# KiCad board rev6.0_flat_powerstage.kicad_pcb
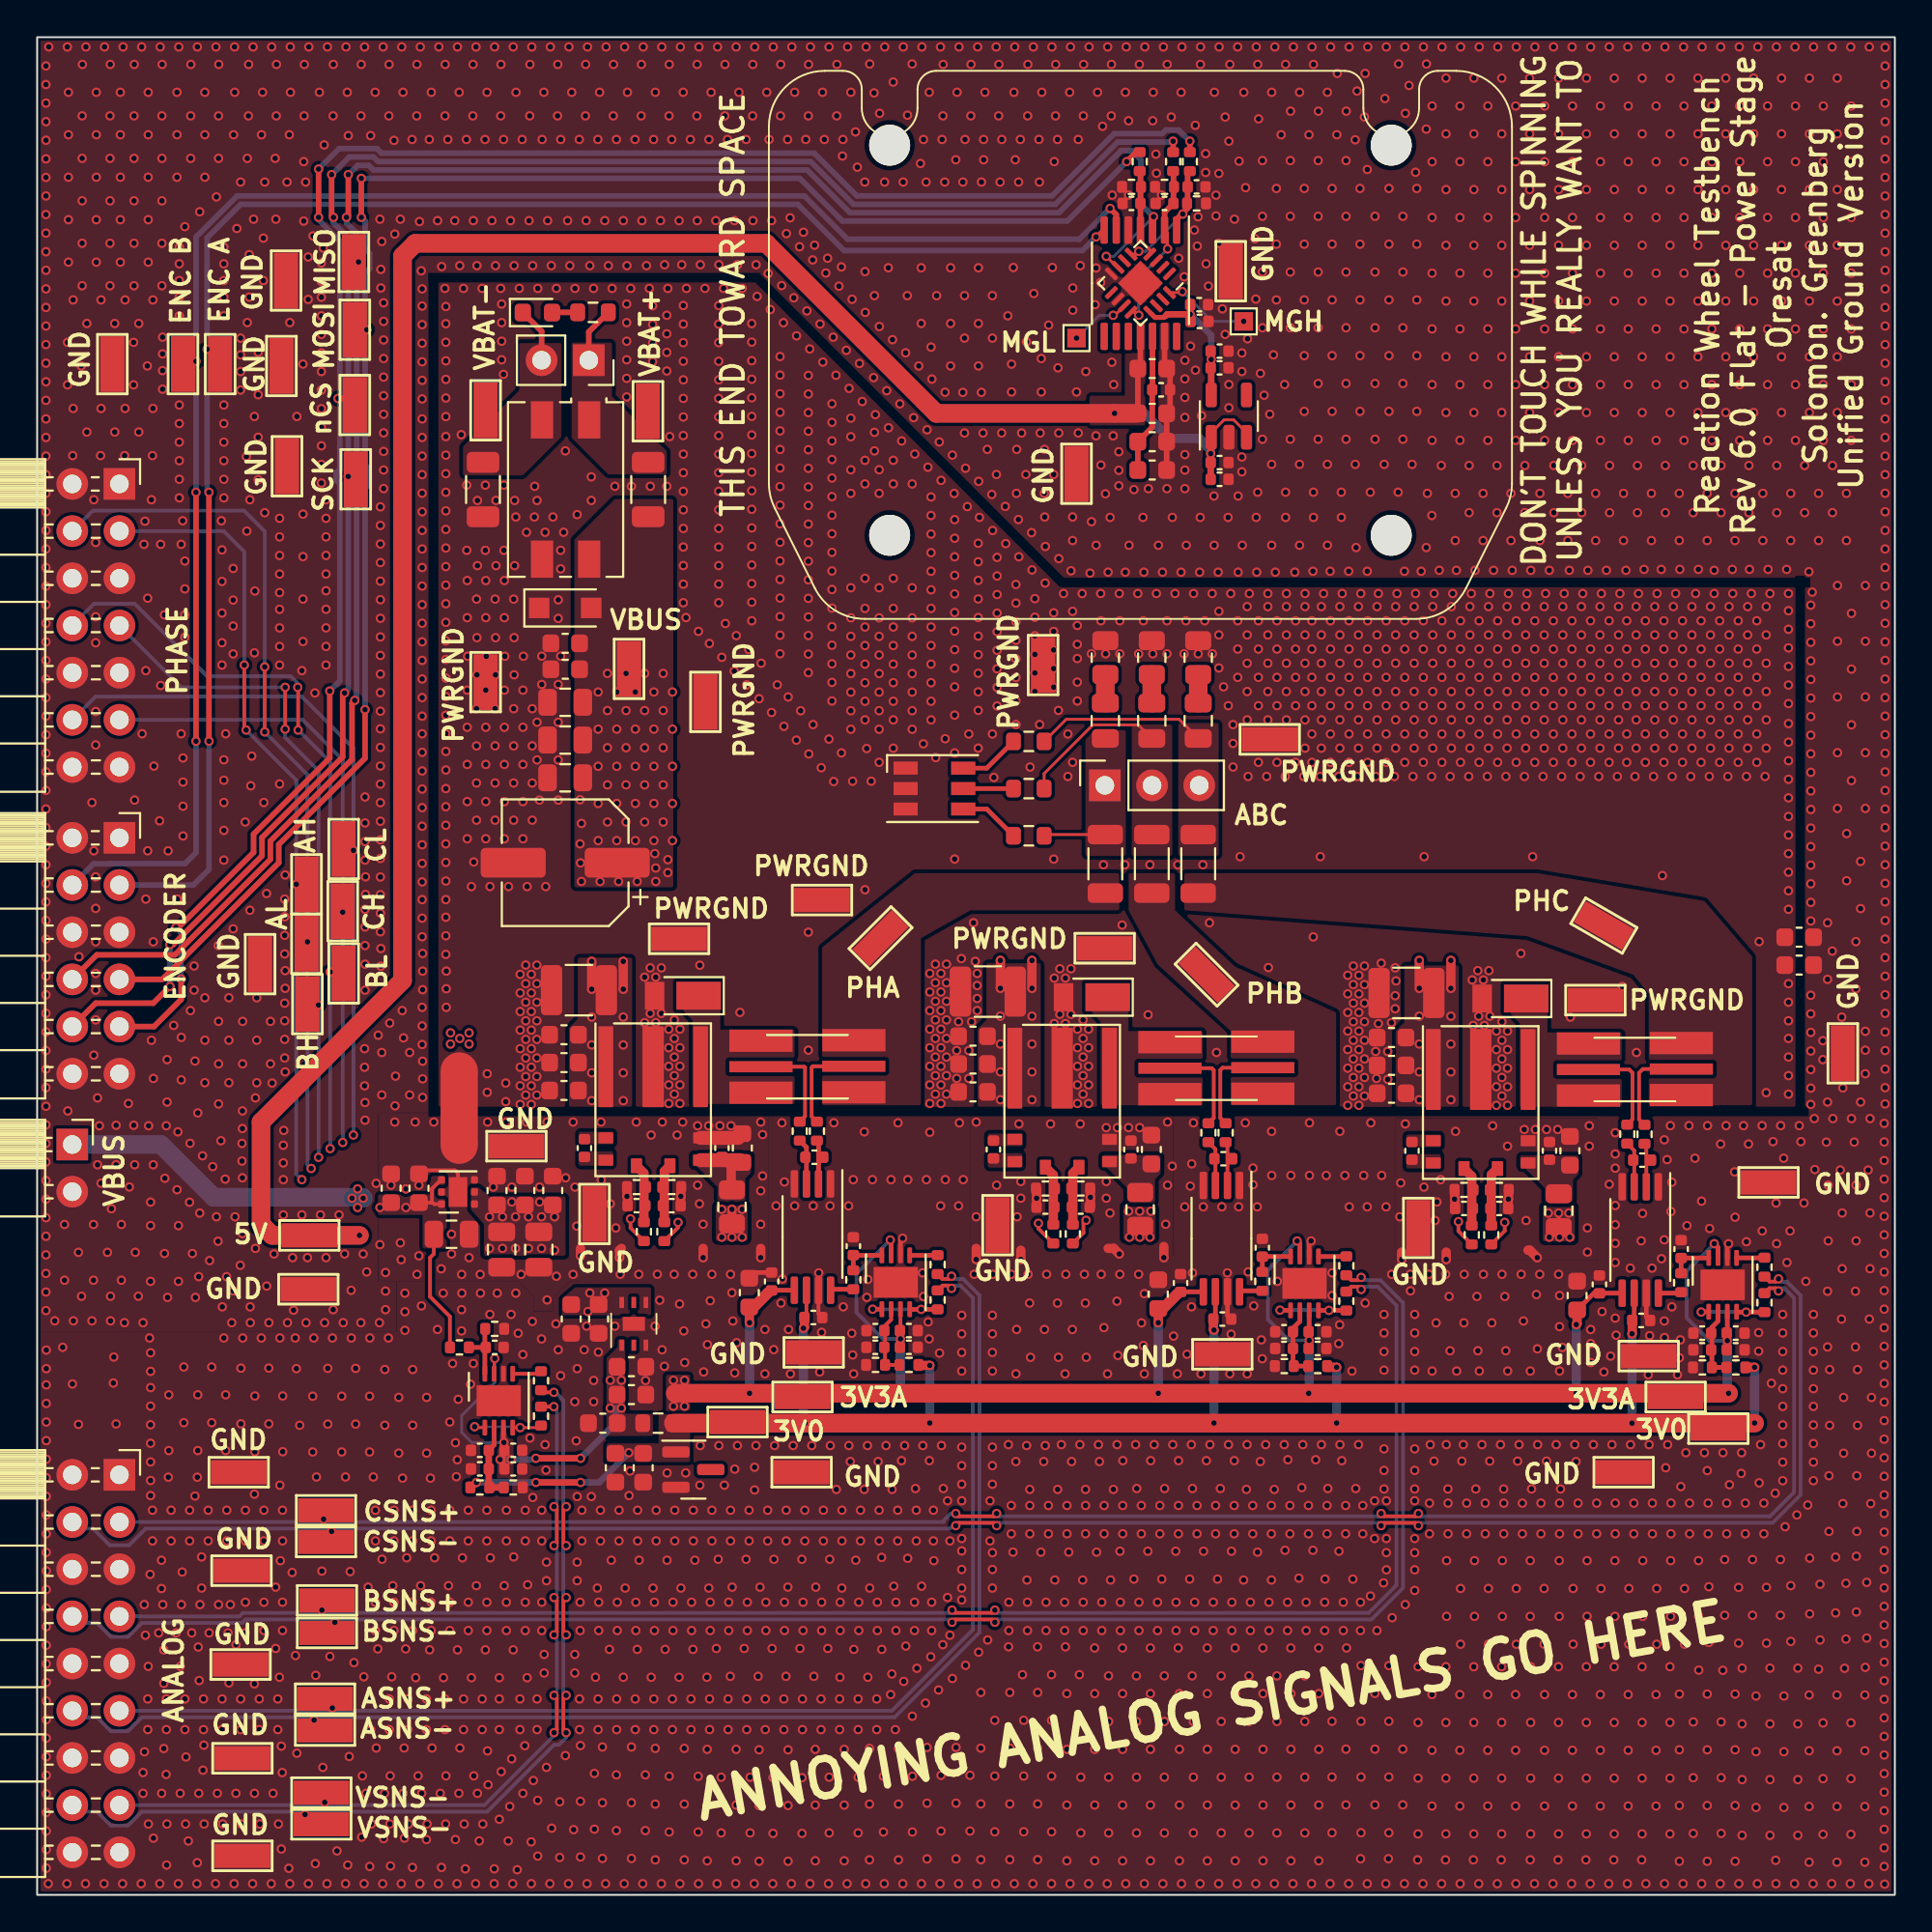
[diagram p0: board, top side]
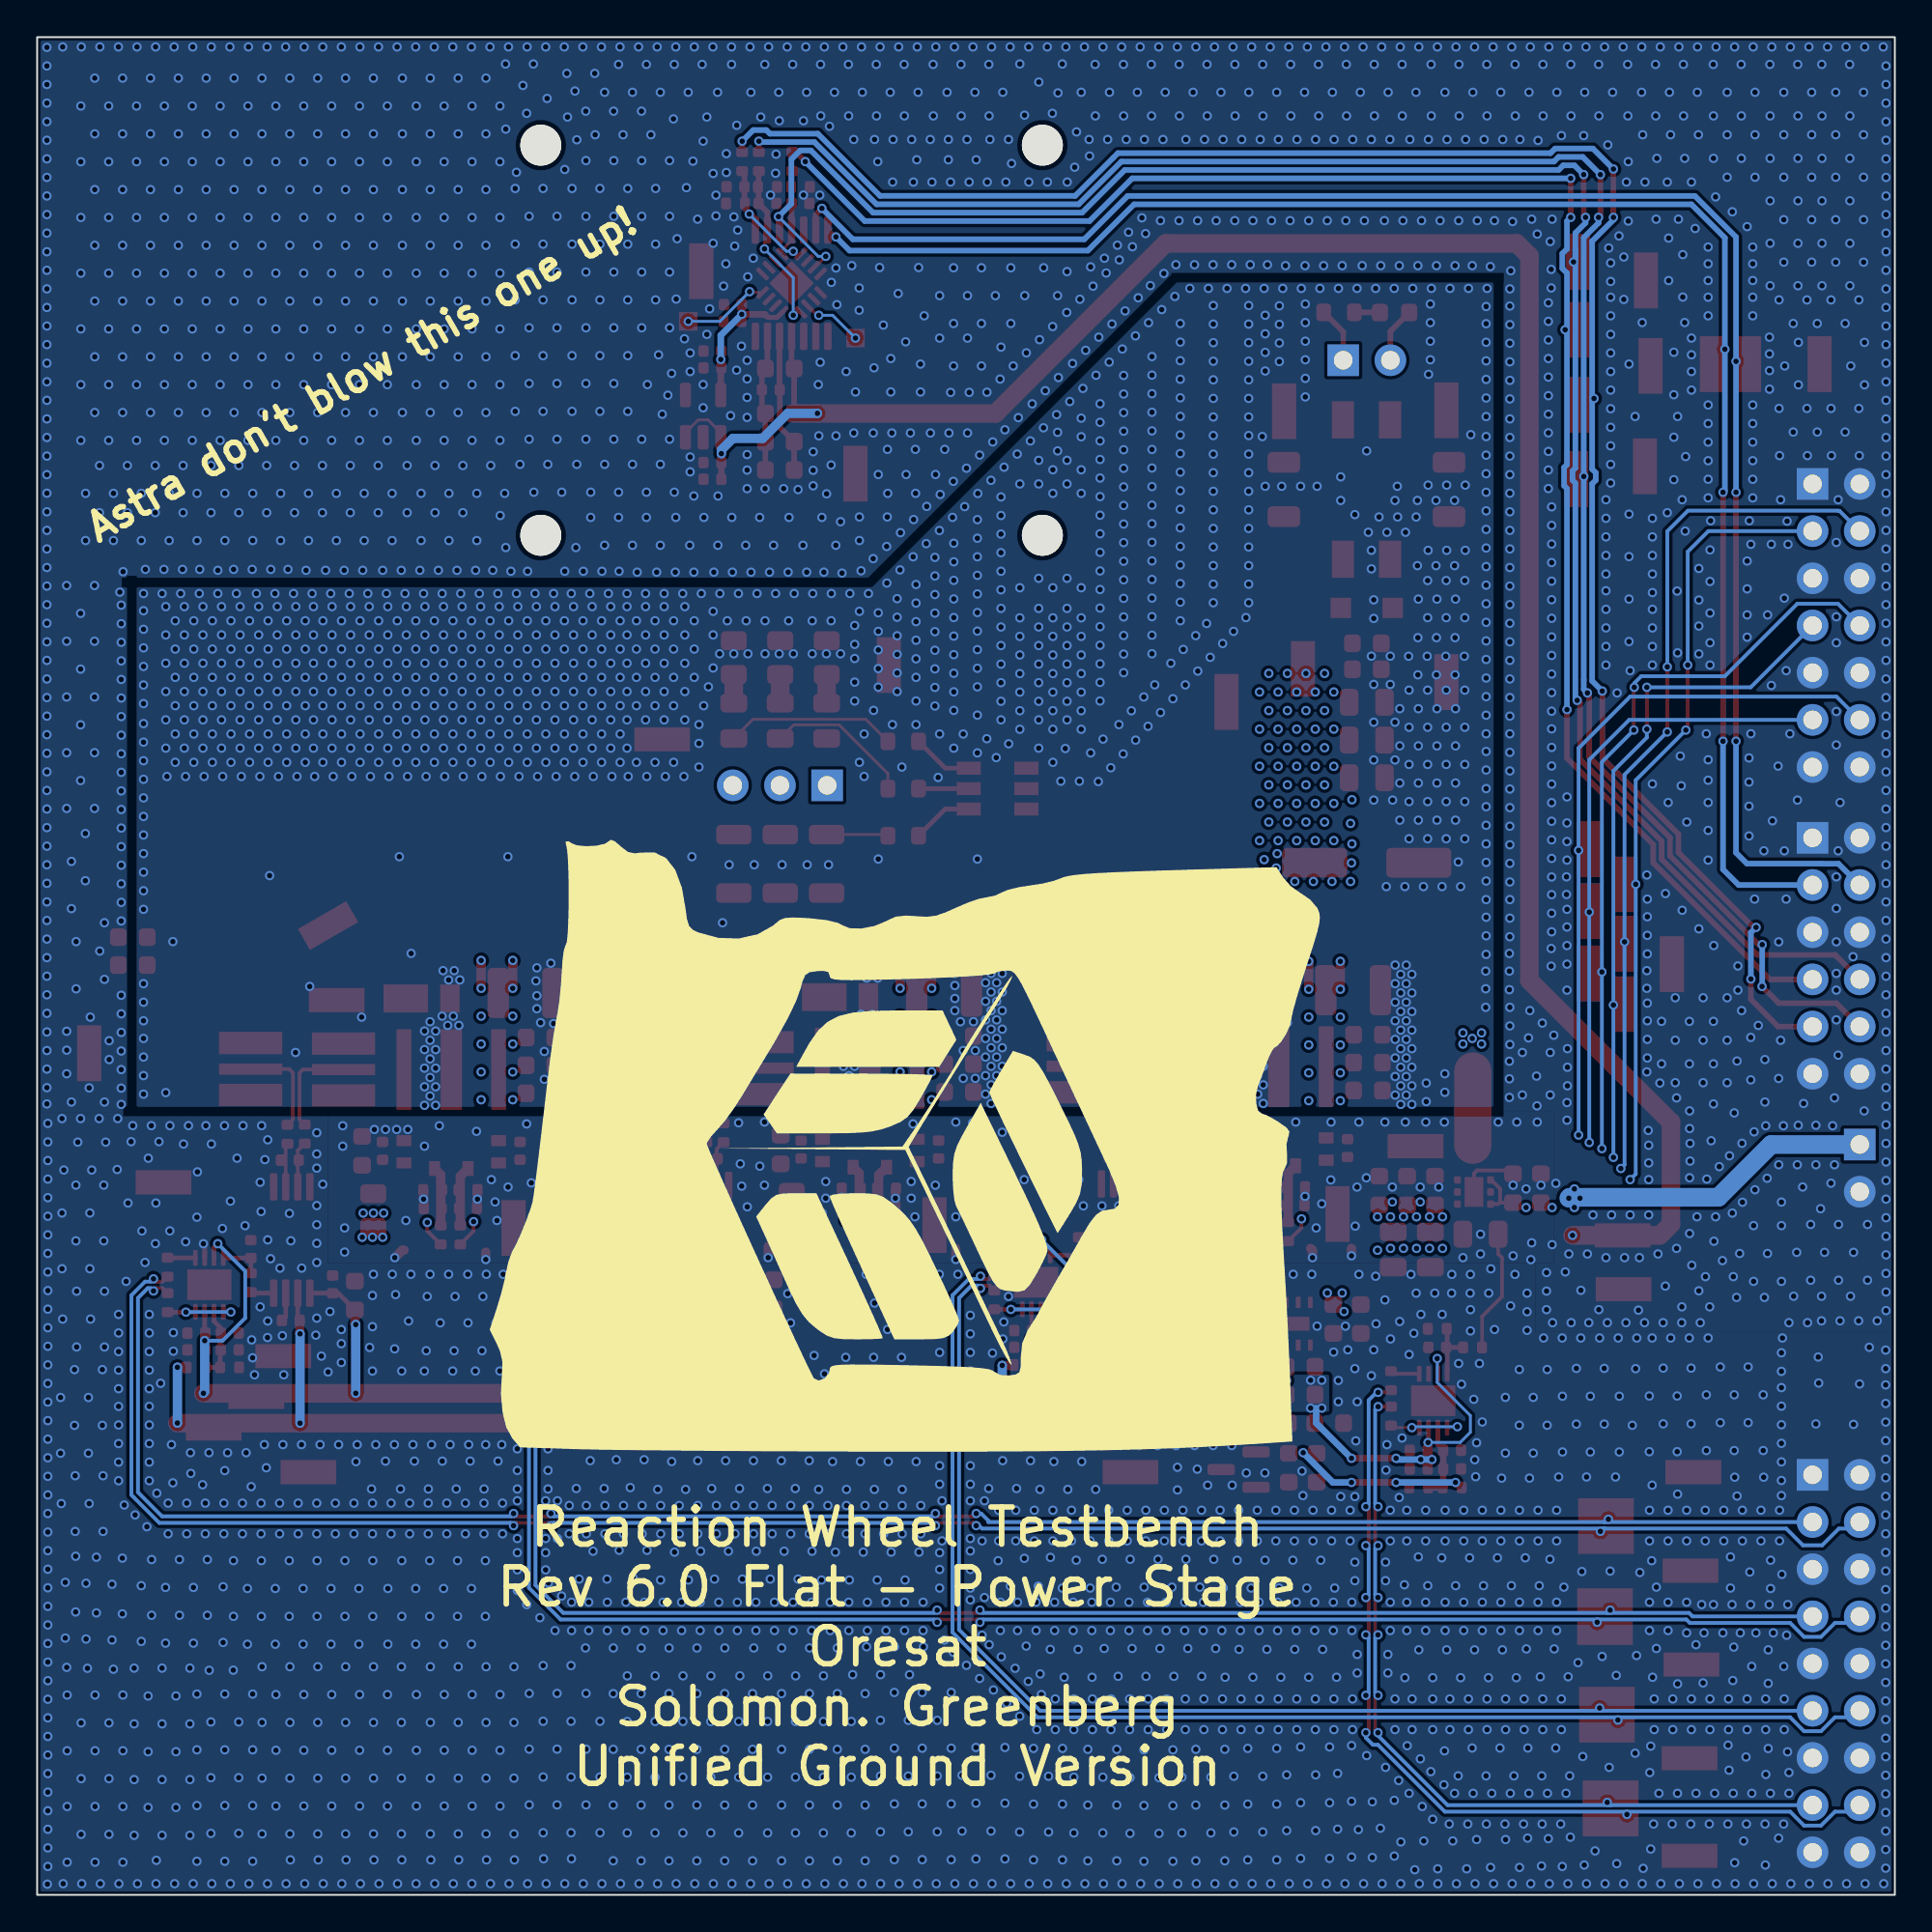
[diagram p1: board, bottom side, seen from below]

Outline 100 x 100 mm; copper layers: Top, In1.Cu, In2.Cu, Bottom. Coordinates in mm from the lower left corner of the outline.
Outline path: rectangle 0,100 100,0
Stack: Top 0.035mm / dielectric 0.1mm FR4 er 4.5 / In1.Cu 0.035mm / dielectric 1.24mm FR4 er 4.5 / In2.Cu 0.035mm / dielectric 0.1mm FR4 er 4.5 / Bottom 0.035mm

## Placement (name value [footprint] x y rotation side)
C1  10p  [C_0402_1005Metric]  62.41 91.94 0 top
C2  DNP  [C_0402_1005Metric]  24.63 29.47 0 top
C3  10p  [C_0402_1005Metric]  60.69 91.05 180 top
C4  4.7u  [C_0402_1005Metric]  23.83 22.93 180 top
C5  10p  [C_0402_1005Metric]  58.91 91.05 180 top
C6  100n  [C_0402_1005Metric]  23.83 23.93 180 top
C7  100n  [C_0402_1005Metric]  25.63 23.93 0 top
C8  4.7u  [C_0402_1005Metric]  25.63 22.93 0 top
C9  4.7u  [C_0603_1608Metric]  28.75 31 270 top
C10  4.7u  [C_0603_1608Metric]  60.03 76.7 0 top
C11  1u  [C_0603_1608Metric]  60.03 78.22 0 top
C12  100n  [C_0603_1608Metric]  28.42 67.37 180 top
C13  100n  [C_0402_1005Metric]  60.5 81.02 0 top
C14  100n  [C_0603_1608Metric]  28.42 65.97 180 top
C15  22u  [C_0805_2012Metric]  28.42 64.19 180 top
C16  22u  [C_0805_2012Metric]  28.42 62.16 180 top
C17  10p  [C_0402_1005Metric]  34.16 37.1 0 top
C18  100n  [C_0603_1608Metric]  60.03 82.16 0 top
C19  22u  [C_0805_2012Metric]  28.42 60.13 180 top
C20  10p  [C_0402_1005Metric]  32.26 37.1 180 top
C21  4.7u  [C_0603_1608Metric]  60.03 79.75 0 top
C22  100u  [CP_Elec_6.3x5.9]  28.42 55.56 180 top
C23  4.7u  [C_0603_1608Metric]  37.96 40.2 90 top
C24  100n  [C_0402_1005Metric]  29.46 40.2 270 top
C25  100n  [C_0402_1005Metric]  36.86 40.2 270 top
C26  100n  [C_0603_1608Metric]  28.36 43.3 180 top
C27  DNP  [C_0603_1608Metric]  94.85 50.05 180 top
C28  4.7u  [C_0402_1005Metric]  45.12 29.47 180 top
C29  100n  [C_0402_1005Metric]  41.78 31.08 0 top
C30  4.7u  [C_0603_1608Metric]  28.36 44.8 180 top
C31  100n  [C_0402_1005Metric]  45.12 30.37 180 top
C32  DNP  [C_0402_1005Metric]  43.94 34.92 90 top
C33  4.7u  [C_0603_1608Metric]  28.36 46.3 180 top
C34  10u  [C_0805_2012Metric]  22.3 35.56 0 top
C35  DNP  [C_0402_1005Metric]  41.84 39.71 0 top
C36  47u  [C_1210_3225Metric]  29.16 48.7 180 top
C37  100n  [C_0402_1005Metric]  46.92 30.37 0 top
C38  2.2u  [C_0603_1608Metric]  19.05 38.04 90 top
C39  4.7u  [C_0402_1005Metric]  46.92 29.47 0 top
C40  100n  [C_0603_1608Metric]  20.55 38.04 90 top
C41  10p  [C_0402_1005Metric]  56.18 37.02 0 top
C42  100p  [C_0603_1608Metric]  24.75 37.91 90 top
C43  10p  [C_0402_1005Metric]  54.28 37.02 180 top
C44  100n  [C_0603_1608Metric]  26.25 37.91 90 top
C45  4.7u  [C_0603_1608Metric]  59.98 40.12 90 top
C46  2.2u  [C_0603_1608Metric]  27.75 37.91 90 top
C47  100n  [C_0402_1005Metric]  51.48 40.12 270 top
C48  100n  [C_0402_1005Metric]  58.88 40.12 270 top
C49  4.7u  [C_0402_1005Metric]  67.12 29.41 180 top
C50  DNP  [C_0603_1608Metric]  94.85 51.55 180 top
C51  100n  [C_0402_1005Metric]  67.12 30.31 180 top
C52  22u  [C_0805_2012Metric]  25 34.74 270 top
C53  100n  [C_0603_1608Metric]  50.38 43.22 180 top
C55  22u  [C_0805_2012Metric]  27 34.74 270 top
C56  100n  [C_0402_1005Metric]  39.54 33.02 90 top
C57  4.7u  [C_0603_1608Metric]  50.38 44.72 180 top
C58  100n  [C_0402_1005Metric]  68.92 30.31 0 top
C59  100n  [C_0402_1005Metric]  63.8 30.99 0 top
C60  4.7u  [C_0402_1005Metric]  68.92 29.41 0 top
C61  4.7u  [C_0603_1608Metric]  50.38 46.22 180 top
C62  DNP  [C_0402_1005Metric]  65.95 34.83 90 top
C63  47u  [C_1210_3225Metric]  51.18 48.62 180 top
C64  100n  [C_0603_1608Metric]  30.45 25.39 180 top
C65  100n  [C_0603_1608Metric]  32.62 22.99 270 top
C66  10p  [C_0402_1005Metric]  78.71 36.95 0 top
C67  10p  [C_0402_1005Metric]  76.81 36.95 180 top
C68  4.7u  [C_0603_1608Metric]  31.12 22.99 270 top
C69  4.7u  [C_0402_1005Metric]  89.63 29.34 180 top
C70  4.7u  [C_0603_1608Metric]  82.51 40.05 90 top
C71  100n  [C_0402_1005Metric]  89.63 30.24 180 top
C72  100n  [C_0402_1005Metric]  74.01 40.05 270 top
C73  100n  [C_0402_1005Metric]  81.41 40.05 270 top
C74  100n  [C_0402_1005Metric]  86.34 30.92 0 top
C75  100n  [C_0402_1005Metric]  91.43 30.24 0 top
C76  100n  [C_0603_1608Metric]  72.91 43.15 180 top
C78  4.7u  [C_0402_1005Metric]  91.43 29.34 0 top
C80  DNP  [C_0402_1005Metric]  63.85 39.62 0 top
C81  4.7u  [C_0603_1608Metric]  72.91 44.65 180 top
C82  100n  [C_0402_1005Metric]  61.55 32.93 90 top
C83  4.7u  [C_0603_1608Metric]  72.91 46.15 180 top
C85  47u  [C_1210_3225Metric]  73.71 48.55 180 top
C86  DNP  [C_0402_1005Metric]  88.5 34.76 90 top
C87  DNP  [C_0402_1005Metric]  86.4 39.55 0 top
C88  100n  [C_0402_1005Metric]  84.1 32.86 90 top
C89  3.3n  [C_0805_2012Metric]  62.5 63.2 90 top
C90  3.3n  [C_0805_2012Metric]  60 63.2 90 top
C91  3.3n  [C_0805_2012Metric]  57.5 63.2 90 top
C92  4.7u  [C_0603_1608Metric]  38.34 32.42 90 top
C93  4.7u  [C_0603_1608Metric]  60.35 32.33 90 top
C94  4.7u  [C_0603_1608Metric]  82.9 32.26 90 top
C97  4.7u  [C_0402_1005Metric]  63.65 76.2 0 top
C98  100n  [C_0402_1005Metric]  63.65 77.1 0 top
C99  100n  [C_0402_1005Metric]  63.65 83.1 0 top
C100  4.7u  [C_0402_1005Metric]  63.65 82.2 0 top
C101  1u  [C_0402_1005Metric]  62.55 85.6 0 top
C102  100n  [C_0402_1005Metric]  62.57 84.7 0 top
C103  100n  [C_0603_1608Metric]  30.22 31 270 top
C104  100n  [C_0603_1608Metric]  31.99 28.43 0 top
C105  4.7u  [C_0603_1608Metric]  31.99 26.93 0 top
D1  SMF9.0A  [D_SOD-123F]  28.42 69.28 0 top
D2  LED_RGB  [LED_RGB_PLCC-6]  48.3 59.55 0 top
D3  LED  [LED_0603_1608Metric]  26.93 85.17 0 top
D4  D_Schottky_Small  [D_PowerDI-123]  34.76 48.4 180 top
D5  D_Schottky_Small  [D_PowerDI-123]  56.78 48.32 180 top
D6  D_Schottky_Small  [D_PowerDI-123]  79.31 48.25 180 top
FB1  BLM31SN500SN1L  [L_1206_3216Metric]  57.5 55.5 90 top
FB2  BLM31SN500SN1L  [L_1206_3216Metric]  60 55.5 90 top
FB3  BLM31SN500SN1L  [L_1206_3216Metric]  62.5 55.5 90 top
FL1  744226S  [L_CommonMode_Wuerth_WE-SL2]  28.44 75.65 270 top
G***  -  [LOGO]  53.22 40.27 180 bottom
H1  ReactionWheel  [reaction-wheel]  45.89 96.19 0 top
J1  PHASE_SIG  [PinSocket_2x07_P2.54mm_Horizontal]  4.43 75.95 0 top
J2  ENC_SIG  [PinSocket_2x06_P2.54mm_Horizontal]  4.43 56.9 0 top
J3  POWER  [PinSocket_1x02_P2.54mm_Horizontal]  1.89 40.39 0 top
J5  ANALOG_SIG  [PinSocket_2x09_P2.54mm_Horizontal]  4.43 22.61 0 top
J6  VBUS  [PinSocket_1x02_P2.54mm_Vertical]  29.69 82.61 270 top
J7  Motor  [PinSocket_1x03_P2.54mm_Vertical]  57.47 59.73 90 top
NT1  NetTie_2  [NetTie-2_SMD_Pad2.0mm]  22.72 42.35 90 top
Q1  LMG5200  [Texas_MOF0009A]  33.16 42.8 0 top
Q2  LMG5200  [Texas_MOF0009A]  55.18 42.72 0 top
Q3  LMG5200  [Texas_MOF0009A]  77.71 42.65 0 top
R1  0  [R_0402_1005Metric]  61.15 93.3 270 top
R3  2.2k  [R_0603_1608Metric]  29.92 85.19 180 top
R4  0  [R_0402_1005Metric]  59.35 93.3 270 top
R5  0  [R_0402_1005Metric]  62.05 93.3 270 top
R6  35.7k/0.1%  [R_0402_1005Metric]  22.73 29.47 0 top
R7  DNP  [R_0402_1005Metric]  62.41 91.05 0 top
R8  DNP  [R_0402_1005Metric]  60.69 91.94 180 top
R9  DNP  [R_0402_1005Metric]  58.91 91.94 180 top
R10  0  [R_0402_1005Metric]  32.66 35.7 90 top
R11  0  [R_0402_1005Metric]  33.76 35.7 90 top
R12  DNP  [R_0402_1005Metric]  34.16 38.1 0 top
R13  50m  [R_0805_2012Metric]  37.4 37.04 270 top
R14  DNP  [R_0402_1005Metric]  32.26 38.1 180 top
R16  1k/0.1%  [R_0402_1005Metric]  23.83 21.93 180 top
R17  1k/0.1%  [R_0402_1005Metric]  25.63 21.93 180 top
R19  1k/0.1%  [R_0402_1005Metric]  46.93 28.53 0 top
R20  1k/0.1%  [R_0402_1005Metric]  45.13 28.53 0 top
R21  0  [R_0402_1005Metric]  43.94 33.11 270 top
R22  0  [R_0402_1005Metric]  48.47 33.92 270 top
R23  0  [R_0402_1005Metric]  48.47 32.02 90 top
R24  0  [R_0402_1005Metric]  54.7 35.58 90 top
R25  0  [R_0402_1005Metric]  55.75 35.58 90 top
R26  DNP  [R_0402_1005Metric]  56.18 38.02 0 top
R27  50m  [R_0805_2012Metric]  59.38 36.9 270 top
R28  DNP  [R_0402_1005Metric]  54.28 38.02 180 top
R29  1k/0.1%  [R_0402_1005Metric]  68.93 28.46 0 top
R30  1k/0.1%  [R_0402_1005Metric]  67.13 28.46 0 top
R31  1k/0.1%  [R_0402_1005Metric]  91.44 28.39 0 top
R32  0  [R_0402_1005Metric]  41.05 41.11 270 top
R34  10m  [R_2512_6332Metric_KELVIN]  41.46 44.58 0 top
R35  0  [R_0402_1005Metric]  70.47 33.86 270 top
R36  0  [R_0402_1005Metric]  70.47 31.96 90 top
R37  50  [R_0603_1608Metric]  33.42 25.39 0 top
R38  0  [R_0402_1005Metric]  77.22 35.52 90 top
R39  0  [R_0402_1005Metric]  78.28 35.52 90 top
R40  1k/0.1%  [R_0402_1005Metric]  89.64 28.39 0 top
R41  DNP  [R_0402_1005Metric]  78.71 37.95 0 top
R42  50m  [R_0805_2012Metric]  81.91 36.83 270 top
R44  DNP  [R_0402_1005Metric]  76.81 37.95 180 top
R48  0  [R_0402_1005Metric]  41.97 41.11 270 top
R50  0  [R_0402_1005Metric]  92.98 33.79 270 top
R51  0  [R_0402_1005Metric]  92.98 31.88 90 top
R53  0  [R_0402_1005Metric]  65.95 33.02 270 top
R54  0  [R_0402_1005Metric]  63.05 41.02 270 top
R55  10.2k/0.1%  [R_0402_1005Metric]  24.63 30.47 0 top
R57  0  [R_0402_1005Metric]  27.12 27.68 270 top
R58  0  [R_0402_1005Metric]  27.12 25.77 90 top
R59  0  [R_1206_3216Metric]  32.89 75.65 270 top
R60  0  [R_1206_3216Metric]  24 75.65 270 top
R61  10m  [R_2512_6332Metric_KELVIN]  63.48 44.5 0 top
R62  1k  [R_0603_1608Metric]  53.38 62.09 180 top
R63  1k  [R_0603_1608Metric]  53.38 59.55 180 top
R64  1k  [R_0603_1608Metric]  53.38 57.01 180 top
R65  0  [R_0402_1005Metric]  63.97 41.02 270 top
R67  0  [R_0402_1005Metric]  88.5 32.95 270 top
R68  0  [R_0402_1005Metric]  85.6 40.95 270 top
R69  10m  [R_2512_6332Metric_KELVIN]  86.01 44.43 0 top
R70  0  [R_0402_1005Metric]  86.53 40.94 270 top
R71  12  [R_0805_2012Metric]  62.5 66.6 90 top
R72  12  [R_0805_2012Metric]  60 66.6 90 top
R73  12  [R_0805_2012Metric]  57.5 66.6 90 top
TP1  TestPoint_Small  [TestPoint_Keystone_5015_Micro-Minature_3DMODEL]  32.88 79.86 90 top
TP2  TestPoint_Small  [TestPoint_Keystone_5015_Micro-Minature_3DMODEL]  24.14 79.91 90 top
TP3  TestPoint_Small  [TestPoint_Keystone_5015_Micro-Minature_3DMODEL]  31.86 65.99 90 top
TP4  TestPoint_Small  [TestPoint_Keystone_5015_Micro-Minature_3DMODEL]  83.88 48.16 0 top
TP5  TestPoint_Small  [TestPoint_Keystone_5015_Micro-Minature_3DMODEL]  14.65 35.5 0 top
TP6  TestPoint_Small  [TestPoint_Keystone_5015_Micro-Minature_3DMODEL]  24.14 65.28 270 top
TP7  TestPoint_Small  [TestPoint_Keystone_5015_Micro-Minature_3DMODEL]  45.4 51.5 225 top
TP8  TestPoint_Small  [TestPoint_Keystone_5015_Micro-Minature_3DMODEL]  62.95 49.53 135 top
TP9  TestPoint_Small  [TestPoint_Keystone_5015_Micro-Minature_3DMODEL]  84.34 52.18 150 top
TP10  TestPoint_Small  [TestPoint_Keystone_5015_Micro-Minature_3DMODEL]  57.47 50.96 0 top
TP11  TestPoint_Small  [TestPoint_Keystone_5015_Micro-Minature_3DMODEL]  54.15 66.2 90 top
TP12  TestPoint_Small  [TestPoint_Keystone_5015_Micro-Minature_3DMODEL]  34.55 51.46 0 top
TP13  TestPoint_Small  [TestPoint_Keystone_5015_Micro-Minature_3DMODEL]  35.98 64.22 90 top
TP14  TestPoint_Small  [TestPoint_Keystone_5015_Micro-Minature_3DMODEL]  41.2 26.8 0 top
TP15  TestPoint_Small  [TestPoint_Keystone_5015_Micro-Minature_3DMODEL]  14.6 32.6 0 top
TP16  TestPoint_Small  [TestPoint_Keystone_5015_Micro-Minature_3DMODEL]  41.8 29.2 0 top
TP17  TestPoint_Small  [TestPoint_Keystone_5015_Micro-Minature_3DMODEL]  93.2 38.35 0 top
TP18  TestPoint_Small  [TestPoint_Keystone_5015_Micro-Minature_3DMODEL]  85.4 22.75 0 top
TP19  TestPoint_Small  [TestPoint_Keystone_5015_Micro-Minature_3DMODEL]  86.75 29 0 top
TP20  TestPoint_Small  [TestPoint_Keystone_5015_Micro-Minature_3DMODEL]  63.8 29.1 0 top
TP21  TestPoint_Small  [TestPoint_Keystone_5015_Micro-Minature_3DMODEL]  42.25 53.55 0 top
TP22  TestPoint_Small  [TestPoint_Keystone_5015_Micro-Minature_3DMODEL]  66.35 62.2 0 top
TP23  TestPoint_Small  [TestPoint_Keystone_5015_Micro-Minature_3DMODEL]  17.1 84.25 90 top
TP24  TestPoint_Small  [TestPoint_Keystone_5015_Micro-Minature_3DMODEL]  17.05 87.9 90 top
TP25  TestPoint_Small  [TestPoint_Keystone_5015_Micro-Minature_3DMODEL]  17.15 76.2 90 top
TP26  TestPoint_Small  [TestPoint_Keystone_5015_Micro-Minature_3DMODEL]  17.1 80.2 90 top
TP27  TestPoint_Small  [TestPoint_Keystone_5015_Micro-Minature_3DMODEL]  15.55 19 0 top
TP28  TestPoint_Small  [TestPoint_Keystone_5015_Micro-Minature_3DMODEL]  9.85 82.4 90 top
TP29  TestPoint_Small  [TestPoint_Keystone_5015_Micro-Minature_3DMODEL]  7.85 82.4 90 top
TP30  TestPoint_Small  [TestPoint_Keystone_5015_Micro-Minature_3DMODEL]  13.4 86.9 90 top
TP31  TestPoint_Small  [TestPoint_Keystone_5015_Micro-Minature_3DMODEL]  4.05 82.4 90 top
TP32  TestPoint_Small  [TestPoint_Keystone_5015_Micro-Minature_3DMODEL]  12 50.1 90 top
TP33  TestPoint_Small  [TestPoint_Keystone_5015_Micro-Minature_3DMODEL]  13.15 82.3 90 top
TP34  TestPoint_Small  [TestPoint_Keystone_5015_Micro-Minature_3DMODEL]  13.45 76.9 90 top
TP35  TestPoint_Small  [TestPoint_Keystone_5015_Micro-Minature_3DMODEL]  14.5 54.4 90 top
TP36  TestPoint_Small  [TestPoint_Keystone_5015_Micro-Minature_3DMODEL]  14.55 47.95 90 top
TP37  TestPoint_Small  [TestPoint_Keystone_5015_Micro-Minature_3DMODEL]  16.45 52.95 90 top
TP38  TestPoint_Small  [TestPoint_Keystone_5015_Micro-Minature_3DMODEL]  14.5 51.2 90 top
TP39  TestPoint_Small  [TestPoint_Keystone_5015_Micro-Minature_3DMODEL]  16.5 49.6 90 top
TP40  TestPoint_Small  [TestPoint_Keystone_5015_Micro-Minature_3DMODEL]  16.5 56.3 90 top
TP41  TestPoint_Small  [TestPoint_Keystone_5015_Micro-Minature_3DMODEL]  15.6 14.1 180 top
TP42  TestPoint_Small  [TestPoint_Keystone_5015_Micro-Minature_3DMODEL]  15.5 8.85 180 top
TP43  TestPoint_Small  [TestPoint_Keystone_5015_Micro-Minature_3DMODEL]  15.3 3.8 180 top
TP44  TestPoint_Small  [TestPoint_Keystone_5015_Micro-Minature_3DMODEL]  74.35 35.9 90 top
TP45  TestPoint_Small  [TestPoint_Keystone_5015_Micro-Minature_3DMODEL]  15.6 15.85 180 top
TP46  TestPoint_Small  [TestPoint_Keystone_5015_Micro-Minature_3DMODEL]  15.55 20.7 180 top
TP47  TestPoint_Small  [TestPoint_Keystone_5015_Micro-Minature_3DMODEL]  15.5 10.55 180 top
TP48  TestPoint_Small  [TestPoint_Keystone_5015_Micro-Minature_3DMODEL]  15.3 5.5 180 top
TP49  TestPoint_Small  [TestPoint_Keystone_5015_Micro-Minature_3DMODEL]  11.05 7.35 180 top
TP50  TestPoint_Small  [TestPoint_Keystone_5015_Micro-Minature_3DMODEL]  11.05 2.1 180 top
TP51  TestPoint_Small  [TestPoint_Keystone_5015_Micro-Minature_3DMODEL]  41.15 22.75 180 top
TP52  TestPoint_Small  [TestPoint_Keystone_5015_Micro-Minature_3DMODEL]  10.95 12.4 180 top
TP53  TestPoint_Small  [TestPoint_Keystone_5015_Micro-Minature_3DMODEL]  10.85 22.75 0 top
TP54  TestPoint_Small  [TestPoint_Keystone_5015_Micro-Minature_3DMODEL]  11 17.45 0 top
TP55  TestPoint_Small  [TestPoint_Keystone_5015_Micro-Minature_3DMODEL]  51.7 36.05 90 top
TP56  TestPoint_Small  [TestPoint_Keystone_5015_Micro-Minature_3DMODEL]  30 36.65 90 top
TP57  TestPoint_Small  [TestPoint_Keystone_5015_Micro-Minature_3DMODEL]  25.8 40.3 0 top
TP58  TestPoint_Small  [TestPoint_Keystone_5015_Micro-Minature_3DMODEL]  97.2 45.3 90 top
TP59  TestPoint_Small  [TestPoint_Keystone_5015_Micro-Minature_3DMODEL]  55.95 76.5 90 top
TP60  TestPoint_Small  [TestPoint_Pad_1.0x1.0mm]  55.95 83.8 0 top
TP61  TestPoint_Small  [TestPoint_Keystone_5015_Micro-Minature_3DMODEL]  37.7 25.45 0 top
TP62  TestPoint_Small  [TestPoint_Keystone_5015_Micro-Minature_3DMODEL]  88.2 26.8 0 top
TP63  TestPoint_Small  [TestPoint_Keystone_5015_Micro-Minature_3DMODEL]  90.5 25.1 0 top
TP64  TestPoint_Small  [TestPoint_Keystone_5015_Micro-Minature_3DMODEL]  64.25 87.4 270 top
TP65  TestPoint_Small  [TestPoint_Pad_1.0x1.0mm]  64.95 84.7 0 top
U1  AS5047D  [TSSOP-14_4.4x5mm_P0.65mm]  59.39 86.75 270 top
U2  INA240A1PW  [TSSOP-8_4.4x3mm_P0.65mm]  41.74 35.41 270 top
U3  LT6350  [DFN-8-1EP_3x3mm_P0.5mm_EP1.65x2.38mm]  46.22 32.97 90 top
U4  TLV76750DRVR  [WSON-6-1EP_2x2mm_P0.65mm_EP1x1.6mm]  22.65 37.84 180 top
U5  INA240A1PW  [TSSOP-8_4.4x3mm_P0.65mm]  63.75 35.32 270 top
U6  LT6350  [DFN-8-1EP_3x3mm_P0.5mm_EP1.65x2.38mm]  68.22 32.91 90 top
U7  NCP115ASN330T2G  [TSOT-23-5]  64.15 79.6 90 top
U8  LT6350  [DFN-8-1EP_3x3mm_P0.5mm_EP1.65x2.38mm]  90.73 32.84 90 top
U9  INA240A1PW  [TSSOP-8_4.4x3mm_P0.65mm]  86.3 35.25 270 top
U10  LT6350  [DFN-8-1EP_3x3mm_P0.5mm_EP1.65x2.38mm]  24.85 26.6 90 top
U11  LP5900SD-3.3/NOPB  [TI-WSON-6-2.2x2.5]  32.12 30.74 180 top
U12  LM4040C30FTA  [SOT-23]  35.32 22.89 0 top
U13  MA730  [QFN-16-1EP_3x3mm_P0.5mm_EP1.7x1.7mm]  59.39 86.75 225 top

## Library data of the parts
C22 = -: P/N: 16SVPC100M
